# KiCad board rivasmario 96% Hotswap Rp2040.kicad_pcb (continued)
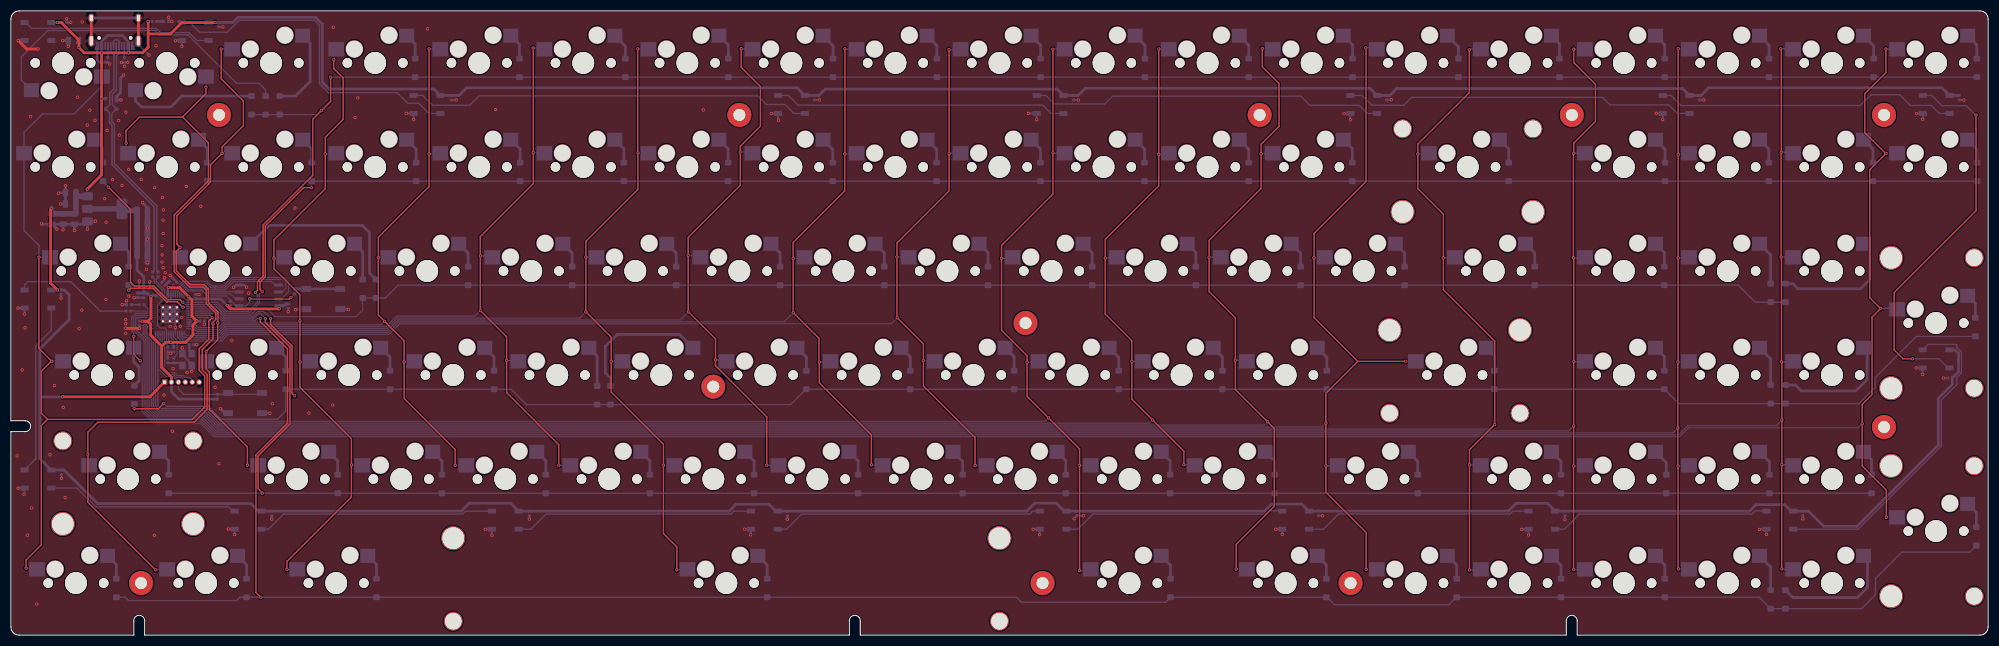
[diagram p0: board, top side]
## Routing (per net, layer and track width the routed paths; a pad name or vN(x,y) marks a point on that pad's centre or on a via; arc(x,y) is an arc through that point) (continued)
Col18: length 443.2
  Top w0.2: v1(23.66,50.24) 23.67,50.25 22.49,51.42 v1(22.49,54.71)
  Top w0.254: v1(343.24,107.31) 343.24,103 339.37,99.13 339.37,92.02 343.19,88.2 v1(343.27,88.2) 340.29,85.22 340.29,61.77 342.21,59.85 v1(342.26,59.85) 342.26,59.79 340.72,58.25 340.72,44.05 338.9,42.23 338.9,30.96 343.32,26.54 v1(343.32,21.57)
  Bottom w0.2: v1(338.9,38.7) 338.88,38.7 338.13,37.95 307.1,37.95 305.48,36.33 37.15,36.33 34.77,38.71 26.26,38.71 24.03,40.94 24.03,49.84 23.66,50.21 v1(23.66,50.24) ; v1(22.49,54.71) 22.49,55.28 22.13,55.64 22.13,58.21 22.86,58.94 U4.36
  Bottom w0.254: MX87.1 343.28,107.28 v1(343.24,107.31) ; MX99.1 345.28,21.57 v1(343.32,21.57) ; MX88.1 345.27,88.2 v1(343.27,88.2) ; MX95.1 345.11,59.84 342.39,59.84 342.38,59.85 v1(342.26,59.85)
DN: length 47.9
  Bottom w0.254: J4.B7 18.27,106.77 18.84,106.2
  Bottom w0.279: J4.A7 19.27,106.64 18.84,106.2 18.84,100.02 18.09,99.27 18.09,97.13 17.33,96.37 ESD1.3 18.04,95.61 18.04,93.84 18.51,93.37 18.51,86.15 26.2,78.47 26.2,66.73 25.95,66.48 R26.2
DP: length 49.1
  Bottom w0.279: R25.2 26.92,66.48 26.68,66.73 26.68,78.63 18.94,86.36 18.94,93.55 18.47,94.02 18.47,95.52 19.27,96.32 ESD1.2 19.33,96.37 18.57,97.13 18.57,99.07 19.32,99.82 19.32,106.08 19.77,106.53 J4.B6 19.77,108.78 19.52,109.03 19.07,109.03 18.77,108.74 J4.A6
QSPI_DATA0: length 20.9
  Bottom w0.2: U4.53 30.5,62.83 31.74,64.07 35.66,64.07 36.5,63.23 37.24,63.23 37.24,63.23 39.21,63.23 40.75,64.77 47.68,64.77 48.3,64.15 48.98,64.15
QSPI_DATA1: length 12
  Bottom w0.2: U4.55 31.3,62.64 32.03,63.37 35.33,63.37 36.18,62.51 40.18,62.51 41.08,61.61 41.78,61.61
QSPI_DATA2: length 12.2
  Bottom w0.2: U4.54 30.9,62.74 31.88,63.72 35.51,63.72 36.35,62.88 37.09,62.88 41.78,62.88 41.78,62.88
QSPI_DATA3: length 28.3
  Bottom w0.2: U4.51 29.7,63.03 31.38,64.7 31.38,64.7 31.45,64.77 35.95,64.77 36.02,64.7 36.02,64.7 36.79,63.94 37.53,63.94 37.53,63.93 38.92,63.93 40.46,65.47 50.15,65.47 50.84,64.78 50.84,62.87 49.58,61.61 48.98,61.61
QSPI_SCLK: length 25.4
  Bottom w0.2: U4.52 30.1,62.93 31.59,64.42 35.81,64.42 36.64,63.58 37.39,63.58 37.39,63.58 39.07,63.58 40.61,65.12 49.66,65.12 50.34,64.44 50.34,63.54 49.68,62.88 48.98,62.88
QSPI_SS: length 23.4
  Top w0.2: v1(43.7,61.59) 43.77,61.52 50.95,61.52 v1(51.25,61.82)
  Bottom w0.2: U4.56 31.7,62.55 32.17,63.02 35.14,63.02 36.04,62.11 39.37,62.11 41.19,60.29 U3.1 ; U3.1 41.8,60.32 41.78,60.34 ; U3.1 43.06,60.29 43.7,60.93 v1(43.7,61.59)
  Bottom w0.254: R20.2 51.87,62.43 51.86,62.43 v1(51.25,61.82)
RESET: length 28
  Bottom w0.2: J9.3 29.65,47.33 28.47,47.33 27.3,48.5 U4.26
  Bottom w0.254: J9.3 30.66,45.05 31.63,44.08 R21.2 37.8,44.09 45.96,44.09
RGB_Underglow: length 3.8
  Bottom w0.2: U4.37 22.11,59.34 21.95,59.49
Row0: length 375.6
  Top w0.254: v1(44.76,62.74) 45.13,63.11 45.13,64.73 46.17,65.77 46.17,75.11 55.24,84.18 55.24,94.45 v1(56.84,96.05) 58.53,97.74 v1(58.53,102.18)
  Bottom w0.2: v1(44.76,62.74) 44.76,62.73 45.1,62.39 45.1,60.93 43.47,59.29 39.41,59.29 37.77,60.94 U4.2
  Bottom w0.254: v1(56.84,96.05) 56.1,95.31 D73.1 D57.1 ; D89.1 D74.1 v1(58.53,102.18) ; 360.21,102.28 360.32,102.18
Row1: length 398.9
  Top w0.254: v1(17.84,82.03) 21.89,77.98 21.89,64.6 22.57,63.92 26.17,63.92 28.65,61.44 30.96,61.44 v1(31.48,60.92) ; v1(46.02,62.9) 45.58,63.34 45.58,64.61 46.58,65.61 46.58,74.95 53.56,81.93 v1(55.06,81.93)
  Bottom w0.2: v1(46.02,62.9) 45.99,62.9 45.47,62.38 45.47,60.8 43.61,58.94 39.27,58.94 37.67,60.54 U4.3 31.87,60.54 v1(31.48,60.92)
  Bottom w0.254: D3.1 v1(55.06,81.93) ; D3.1 D90.1 ; D3.1 D2.1 ; 16.7,83.13 16.75,83.13 v1(17.84,82.03)
Row2: length 312.5
  Top w0.254: v1(31.5,60.03) 31.45,60.03 30.45,61.03 28.62,61.03 28.62,61.04 28.48,61.04 26,63.52 21.98,63.52 v1(21.58,63.12)
  Bottom w0.2: v1(31.5,60.03) 31.67,60.03 31.78,60.14 U4.4 37.57,60.14 38.54,59.17 38.54,59.17 39.12,58.59 43.89,58.59 44.96,59.66 47,59.66 48.35,58.31 63.2,58.31 64.4,59.51 D18.1
  Bottom w0.254: D86.1 319.32,60.96 316.21,64.08 D19.1 70.88,64.08 68.54,61.73 D18.1
  Bottom w0.5: D16.1 21.55,63.15 v1(21.58,63.12)
Row3: length 388.3
  Top w0.254: v1(51.94,43.82) 51.48,44.29 51.48,52.93 47.53,56.88 47.53,57.93 v1(47.54,57.94) ; v1(27.95,42.41) 26.99,41.45 v1(22.57,41.45)
  Bottom w0.2: v1(47.54,57.94) 47.54,58 46.33,59.21 45.13,59.21 44.16,58.24 44.13,58.24 44.13,58.24 38.98,58.24 37.48,59.74 U4.5
  Bottom w0.254: v1(51.94,43.82) 50.74,45.03 D32.1 ; D32.1 50.33,41.06 48.8,39.53 38.53,39.53 36.17,41.89 28.47,41.89 v1(27.95,42.41) ; D32.1 D33.1 91.56,45.03 94.37,42.21 D35.1 142.73,42.21 145.54,45.03 D37.1 D92.1 305.33,42.38 338.32,42.38 341.26,45.32 341.26,47.14 348.8,54.68 359.53,54.68 359.62,54.77
  Bottom w0.5: v1(22.57,41.45) 22.57,42.25 D31.1
Row4: length 363.3
  Top w0.254: v1(46.02,25.98) 46.02,26.04 45.25,26.82 45.25,32.83 51.07,38.65 51.07,52.76 46.58,57.25 v1(46.58,57.92)
  Bottom w0.2: U4.6 37.38,59.34 38.83,57.89 44.3,57.89 45.22,58.8 45.78,58.8 46.58,58 v1(46.58,57.92)
  Bottom w0.254: 303.04,25.98 340.62,25.98 ; 28.87,25.98 302.61,25.98
Row5: length 420
  Top w0.254: v1(45.64,57.98) 45.64,57.4 50.62,52.42 50.62,38.77 44.84,32.99 44.84,7.82 v1(45.73,6.93)
  Bottom w0.2: v1(45.64,57.98) 45.11,57.98 44.67,57.54 38.68,57.54 37.28,58.94 U4.7
  Bottom w0.254: D59.1 20.91,6.93 21.52,6.31 41.31,6.31 41.92,6.93 D60.1 v1(45.73,6.93) D62.1 184.08,6.93 184.99,6.01 211.38,6.01 D63.1 D64.1 240.94,6.93 242.32,5.54 263.22,5.54 264.6,6.93 D66.1 D67.1 D87.1 320.05,6.93 D93.1 D94.1 338.76,4.83 341.34,7.41 341.34,10.37 346.16,15.19 358.6,15.19 D101.1
Net-(Boot1-A): length 8.3
  Bottom w0.5: R20.1 Boot1.1
Net-(C45-Pad2): length 2.9
  Bottom w0.381: Y1.3 30.94,49.81 28.75,49.81 C45.2 28.71,49.86
Net-(D1-A): length 4.8
  Bottom w0.5: 16.7,86.53 16.7,89.31 MX1.2
Net-(D2-A): length 4.8
  Bottom w0.5: D2.2 35.94,89.12 MX2.2
Net-(D3-A): length 4.9
  Bottom w0.5: MX3.2 55.06,89.05 D3.2
Net-(D4-A): length 4.9
  Bottom w0.5: MX4.2 74.18,88.98 D4.2
Net-(D5-A): length 4.9
  Bottom w0.5: MX5.2 93.22,88.99 D5.2
Net-(D6-A): length 4.9
  Bottom w0.5: D6.2 112.2,89.06 MX6.2
Net-(D7-A): length 4.9
  Bottom w0.5: MX7.2 131.29,89.02 D7.2
Net-(D8-A): length 4.9
  Bottom w0.5: MX8.2 150.45,88.91 D8.2
Net-(D9-A): length 4.9
  Bottom w0.5: D9.2 169.46,88.95 MX9.2
Net-(D10-A): length 4.9
  Bottom w0.5: D10.2 188.47,88.99 MX10.2
Net-(D11-A): length 4.9
  Bottom w0.5: D11.2 207.52,88.99 MX11.2
Net-(D12-A): length 4.9
  Bottom w0.5: D12.2 226.61,88.95 MX12.2
Net-(D13-A): length 4.9
  Bottom w0.5: MX13.2 245.56,89.05 D13.2
Net-(D14-A): length 4.9
  Bottom w0.5: D14.2 274.2,88.99 MX14.2
Net-(D15-A): length 5
  Bottom w0.5: D15.2 264.99,107.72 MX68.2
Net-(D16-A): length 4.8
  Bottom w0.5: 21.55,67.48 21.55,70.18 MX16.2
Net-(D17-A): length 32.8
  Bottom w0.5: D17.2 65.63,66.3 65.63,73.71 64.31,75.03 47.25,75.03 MX17.2
Net-(D18-A): length 7.1
  Bottom w0.5: MX18.2 64.4,70.19 D18.2
Net-(D19-A): length 4.9
  Bottom w0.5: 83.69,67.48 83.69,69.95 MX19.2
Net-(D20-A): length 4.9
  Bottom w0.5: 102.74,67.48 102.74,69.95 MX20.2
Net-(D21-A): length 4.9
  Bottom w0.5: MX21.2 121.79,69.95 121.79,67.48
Net-(D22-A): length 4.9
  Bottom w0.5: 140.8,67.48 140.8,69.99 MX22.2
Net-(D23-A): length 4.9
  Bottom w0.5: 159.89,67.48 159.89,69.95 MX23.2
Net-(D24-A): length 4.9
  Bottom w0.5: MX24.2 178.87,70.02 178.87,67.48
Net-(D25-A): length 4.9
  Bottom w0.5: MX25.2 197.93,70.01 197.93,67.48
Net-(D26-A): length 4.8
  Bottom w0.5: 216.93,67.48 216.93,70.06 MX26.2
Net-(D27-A): length 4.9
  Bottom w0.5: MX27.2 236.09,69.95 236.09,67.48
Net-(D28-A): length 4.9
  Bottom w0.5: MX28.2 255.13,69.96 255.13,67.48
Net-(D29-A): length 4.9
  Bottom w0.5: 278.96,67.48 278.96,69.94 MX29.2
Net-(D30-A): length 4.9
  Bottom w0.5: D30.2 321.85,108.01 MX30.2
Net-(D31-A): length 8.1
  Bottom w0.5: D31.2 23.47,46.55 23.47,49.05 22.45,50.08 MX31.2 22.14,52.3
Net-(D32-A): length 4.9
  Bottom w0.5: 50.33,48.43 50.33,50.92 MX32.2
Net-(D33-A): length 4.9
  Bottom w0.5: MX33.2 69.39,50.91 69.39,48.43
Net-(D34-A): length 4.9
  Bottom w0.5: MX34.2 88.43,50.92 88.43,48.43
Net-(D35-A): length 7.6
  Bottom w0.5: MX35.2 107.31,51.09 D35.2
Net-(D36-A): length 25.6
  Bottom w0.5: MX36.2 122.4,55.05 111,55.05 108.81,52.86 108.81,48.05 109.75,47.11 D36.2
Net-(D37-A): length 4.9
  Bottom w0.5: 145.62,48.43 145.62,50.88 MX37.2
Net-(D38-A): length 4.9
  Bottom w0.5: 164.64,48.43 164.64,50.91 MX38.2
Net-(D39-A): length 4.9
  Bottom w0.5: 183.65,48.43 183.65,50.95 MX39.2
Net-(D40-A): length 4.9
  Bottom w0.5: 202.8,48.43 202.8,50.85 MX40.2
Net-(D41-A): length 4.9
  Bottom w0.5: MX41.2 221.79,50.91 221.79,48.43
Net-(D42-A): length 4.9
  Bottom w0.5: 240.9,48.43 240.9,50.85 MX42.2
Net-(D43-A): length 4.8
  Bottom w0.5: 271.56,48.43 271.56,51.15 MX43.2
Net-(D44-A): length 4.9
  Bottom w0.5: MX44.2 302.76,108.05 D44.2
Net-(D45-A): length 4.9
  Bottom w0.5: MX45.2 28.87,31.9 D45.2
Net-(D46-A): length 4.9
  Bottom w0.5: D46.2 59.82,31.91 MX46.2
Net-(D47-A): length 4.9
  Bottom w0.5: MX47.2 78.91,31.87 D47.2
Net-(D48-A): length 4.9
  Bottom w0.5: MX48.2 97.92,31.91 D48.2
Net-(D49-A): length 4.9
  Bottom w0.5: D49.2 116.97,31.91 MX49.2
Net-(D50-A): length 4.9
  Bottom w0.5: MX50.2 136.05,31.88 D50.2
Net-(D51-A): length 4.9
  Bottom w0.5: D51.2 155.1,31.88 MX51.2
Net-(D52-A): length 4.9
  Bottom w0.5: D52.2 174.22,31.81 MX52.2
Net-(D53-A): length 4.8
  Bottom w0.5: MX53.2 193.1,31.98 D53.2
Net-(D54-A): length 4.9
  Bottom w0.5: MX54.2 212.22,31.91 D54.2
Net-(D55-A): length 4.9
  Bottom w0.5: MX55.2 231.36,31.82 D55.2
Net-(D56-A): length 4.9
  Bottom w0.5: D56.2 257.54,31.83 MX56.2
Net-(D57-A): length 24.5
  Bottom w0.5: D57.2 31.29,98.71 29.29,96.71 23.91,96.71 22.79,97.83 MX57.2
Net-(D58-A): length 4.9
  Bottom w0.5: D58.2 341,107.91 MX58.2
Net-(D59-A): length 4.9
  Bottom w0.5: MX59.2 19.3,12.89 D59.2
Net-(D60-A): length 4.9
  Bottom w0.5: MX60.2 43.15,12.86 43.15,10.35 D60.2
Net-(D61-A): length 4.8
  Bottom w0.5: D61.2 66.92,12.91 MX61.2
Net-(D62-A): length 4.9
  Bottom w0.5: MX62.2 138.44,12.82 D62.2
Net-(D63-A): length 4.9
  Bottom w0.5: MX63.2 212.29,12.79 D63.2
Net-(D64-A): length 4.9
  Bottom w0.5: MX64.2 240.8,12.85 D64.2
Net-(D66-A): length 4.9
  Bottom w0.5: D66.2 264.67,12.79 MX65.2
Net-(D67-A): length 4.9
  Bottom w0.5: MX66.2 283.77,12.74 D67.2
Net-(D68-A): length 4.9
  Bottom w0.5: D68.2 302.81,88.95 MX67.2
Net-(D69-A): length 4.9
  Bottom w0.5: D69.2 321.82,88.99 MX73.2
Net-(D71-A): length 59.2
  Bottom w0.254: MX15.2 1.91,101.62 1.91,105.89 6.72,110.7 26.41,110.7 27.19,109.92 32.43,109.92 41.29,101.06 45.41,101.06 46.62,99.85 D71.2
Net-(D72-A): length 4.9
  Bottom w0.5: D72.2 340.88,88.98 MX77.2
Net-(D73-A): length 15.6
  Bottom w0.5: MX69.2 54.77,108.39 54.77,101.38 52.1,98.71 D73.2
Net-(D74-A): length 4.8
  Bottom w0.5: D74.2 74,108.21 MX70.2
Net-(D75-A): length 4.8
  Bottom w0.5: MX71.2 93.09,108.17 D75.2
Net-(D76-A): length 5
  Bottom w0.5: D76.2 112.48,107.83 MX72.2
Net-(D77-A): length 4.9
  Bottom w0.5: 302.69,67.48 302.69,70.02 MX82.2
Net-(D78-A): length 4.9
  Bottom w0.5: MX74.2 150.5,107.91 D78.2
Net-(D79-A): length 4.9
  Bottom w0.5: D79.2 169.51,107.95 MX75.2
Net-(D80-A): length 4.9
  Bottom w0.5: MX76.2 188.5,108.01 D80.2
Net-(D81-A): length 4.9
  Bottom w0.5: D81.2 207.61,107.95 MX81.2
Net-(D82-A): length 4.9
  Bottom w0.5: MX78.2 226.6,108.01 D82.2
Net-(D83-A): length 4.9
  Bottom w0.5: D83.2 245.61,108.05 MX79.2
Net-(D84-A): length 4.8
  Bottom w0.5: D84.2 283.48,108.28 MX80.2
Net-(D85-A): length 8.1
  Bottom w0.5: D85.2 322.14,69.62 MX83.2
Net-(D86-A): length 23.5
  Bottom w0.5: MX84.2 340.29,70.52 340.29,65.11 338.59,63.41 327.14,63.41 326.19,64.36 D86.2
Net-(D87-A): length 4.9
  Bottom w0.5: MX85.2 302.77,12.79 D87.2
Net-(D88-A): length 4.9
  Bottom w0.5: D88.2 131.34,108.02 MX86.2
Net-(D89-A): length 4.9
  Bottom w0.5: D89.2 359.89,108.07 MX87.2
Net-(D90-A): length 4.9
  Bottom w0.5: MX88.2 359.91,89 D90.2
Net-(D91-A): length 4.9
  Bottom w0.5: MX89.2 283.76,31.8 D91.2
Net-(D92-A): length 4.9
  Bottom w0.5: 302.69,48.43 302.69,50.97 MX90.2
Net-(D93-A): length 7.1
  Bottom w0.5: D93.2 322.14,12.47 MX91.2
Net-(D94-A): length 22.4
  Bottom w0.5: MX92.2 339.88,13.78 339.88,8.73 338.02,6.87 326.22,6.87 D94.2
Net-(D95-A): length 7.6
  Bottom w0.5: MX93.2 322.14,50.57 D95.2
Net-(D96-A): length 22.4
  Bottom w0.5: MX94.2 339.81,51.95 339.81,46.79 337.73,44.71 327.73,44.71 326.64,45.8 D96.2
Net-(D97-A): length 4.6
  Bottom w0.5: MX95.2 359.61,60.73 D97.2
Net-(D98-A): length 5
  Bottom w0.5: MX96.2 303.04,31.57 D98.2
Net-(D99-A): length 4.9
  Bottom w0.5: MX97.2 321.92,31.74 D99.2
Net-(D100-A): length 4.8
  Bottom w0.5: D100.2 340.62,32.09 MX98.2
Net-(D101-A): length 4.9
  Bottom w0.5: 358.2,24.04 359.8,22.44 D101.2
Net-(J4-CC1): length 2.2
  Bottom w0.254: R18.2 17.78,105.79 17.78,107.9 J4.A5
Net-(J4-CC2): length 2.2
  Bottom w0.254: R19.2 20.76,107.89 J4.B5
Net-(LED1-DIN): length 22
  Bottom w0.254: R2.2 16.36,59.33 10.97,64.72 3.09,64.72 2.48,64.11 LED1.4
Net-(LED1-DOUT): length 31.7
  Bottom w0.254: LED1.2 7.38,55.78 4.56,52.96 4.56,32.31 LED2.4
Net-(LED2-DOUT): length 35.3
  Bottom w0.254: 7.38,26.93 12.06,26.93 15.5,23.48 39.83,23.48 40.62,22.69 LED3.4
Net-(LED3-DOUT): length 43.1
  Bottom w0.254: LED3.2 47.15,19.39 49.92,22.17 82.67,22.17 83.2,22.69 87.63,22.69
Net-(LED4-DOUT): length 43.5
  Bottom w0.254: LED4.2 95.19,19.39 97.96,22.17 131.8,22.17 132.33,22.69 135.07,22.69
Net-(LED5-DOUT): length 49.3
  Bottom w0.254: LED6.4 187.07,22.69 186.54,22.17 144.75,22.17 141.98,19.39 LED5.2
Net-(LED6-DOUT): length 40.9
  Bottom w0.254: LED6.2 195.34,19.39 198.11,22.17 229.74,22.17 230.33,22.75 232.66,22.75 LED7.4
Net-(LED7-DOUT): length 41.2
  Bottom w0.254: 277.41,22.69 274.96,22.69 274.43,22.17 243.04,22.17 240.27,19.39 LED7.2
Net-(LED8-DOUT): length 40.1
  Bottom w0.254: LED9.4 321.32,22.74 319.29,22.74 318.71,22.17 287.15,22.17 284.38,19.39 LED8.2
Net-(LED10-DIN): length 60.1
  Bottom w0.254: 350.26,52.51 350.99,53.23 356.11,53.23 356.22,53.12 356.22,52.71 357.08,51.85 357.08,48.03 356.22,47.17 356.22,45.87 353.36,43.01 353.36,34.59 338.17,19.39 LED9.2
Net-(LED10-DOUT): length 72
  Top w0.254: v1(359.73,95.22) 359.73,92.71 359.74,92.7 359.74,77.71 344.77,62.73 344.77,52.2 346.37,50.59 v1(348.07,50.59)
  Bottom w0.254: v1(348.07,50.59) 352.95,50.59 354.62,48.92 LED10.2 354.94,48.86 ; LED11.4 351.61,98.82 353.49,96.94 357.95,96.94 359.67,95.22 v1(359.73,95.22)
Net-(LED11-DOUT): length 55.5
  Bottom w0.254: LED11.2 353.02,95.52 351.55,96.99 347.73,96.99 345.78,98.94 340.51,98.94 338.53,96.96 305.78,96.96 303.92,98.82 LED12.4
Net-(LED12-DOUT): length 64.3
  Bottom w0.254: 245.61,98.82 247.36,98.82 249.15,97.03 249.15,97.02 254.96,97.02 256.4,98.46 291.36,98.46 292.73,97.09 303.5,97.09 305.07,95.52 LED12.2
Net-(LED13-DOUT): length 64.8
  Bottom w0.254: LED13.2 248.32,95.52 246.82,97.02 237.79,97.02 236.14,98.67 201.66,98.67 200.25,97.26 191.04,97.26 189.48,98.82 LED14.4
Net-(LED14-DOUT): length 53.2
  Bottom w0.254: LED14.2 190.41,95.52 188.88,97.05 144.11,97.05 142.34,98.82 140.83,98.82
Net-(LED15-DOUT): length 74.4
  Bottom w0.254: LED16.4 75.38,98.82 77.18,97.02 83.99,97.02 85.71,98.74 136.72,98.74 138.29,97.17 141.68,97.17 143.33,95.52 LED15.2
Net-(LED16-DOUT): length 62.3
  Bottom w0.254: LED16.2 76.53,95.52 74.66,97.39 72.61,97.39 70.68,99.32 58.14,99.32 56.48,100.98 56.48,111.67 55.56,112.59 41.78,112.59 39.58,110.39 34.53,110.39 32.75,112.17 LED17.4
Net-(LED17-DOUT): length 35.1
  Bottom w0.254: LED18.4 2.72,112.17 3.79,111.1 26.58,111.1 27.36,110.32 32.6,110.32 34.05,108.87 LED17.2
Net-(Pwr1-A): length 1.2
  Bottom w0.5: R17.2 27.9,112.39 Pwr1.2
Net-(Test1-A): length 1.4
  Bottom w0.254: R1.2 Test1.2
Net-(U4-GPIO26_ADC0): length 1.6
  Bottom w0.2: R1.1 25.12,59.74 U4.38
Net-(U4-USB_DM): length 4.2
  Bottom w0.2: R26.1 26.25,65.3 26.25,64.62 27.7,63.17 U4.46
Net-(U4-USB_DP): length 4.2
  Bottom w0.2: 26.92,65.59 R25.1 26.6,65.29 26.6,64.76 28.1,63.26 U4.47
Net-(U4-XIN): length 6
  Bottom w0.2: U4.20 29.7,54.63 30.93,53.4 32.32,53.4 32.56,53.16
  Bottom w0.381: 32.56,53.16 32.67,53.05 32.67,51.98 Y1.1
Net-(U4-XOUT): length 5.1
  Bottom w0.2: U4.21 29.3,54.48 30.4,53.38 30.4,51.4 29.85,50.85

## Copper pours and planes (outline as drawn; the poured copper is in the pictures)
GND on Top, Bottom: 362.52,-0.72 -0.27,-0.32 -0.32,114.76 362.3,114.64

## Text on the board
B.Silkscreen: +5V | +3V3 | RESET | SWDIO | SWDCLK | GND | RP2040 | 12MHz | FLASH EEPROM | TEST | POWER | TypeC | BOOT
